# Altium PCB SmartHaloFF.PcbDoc (part 1 of 4) (continued)
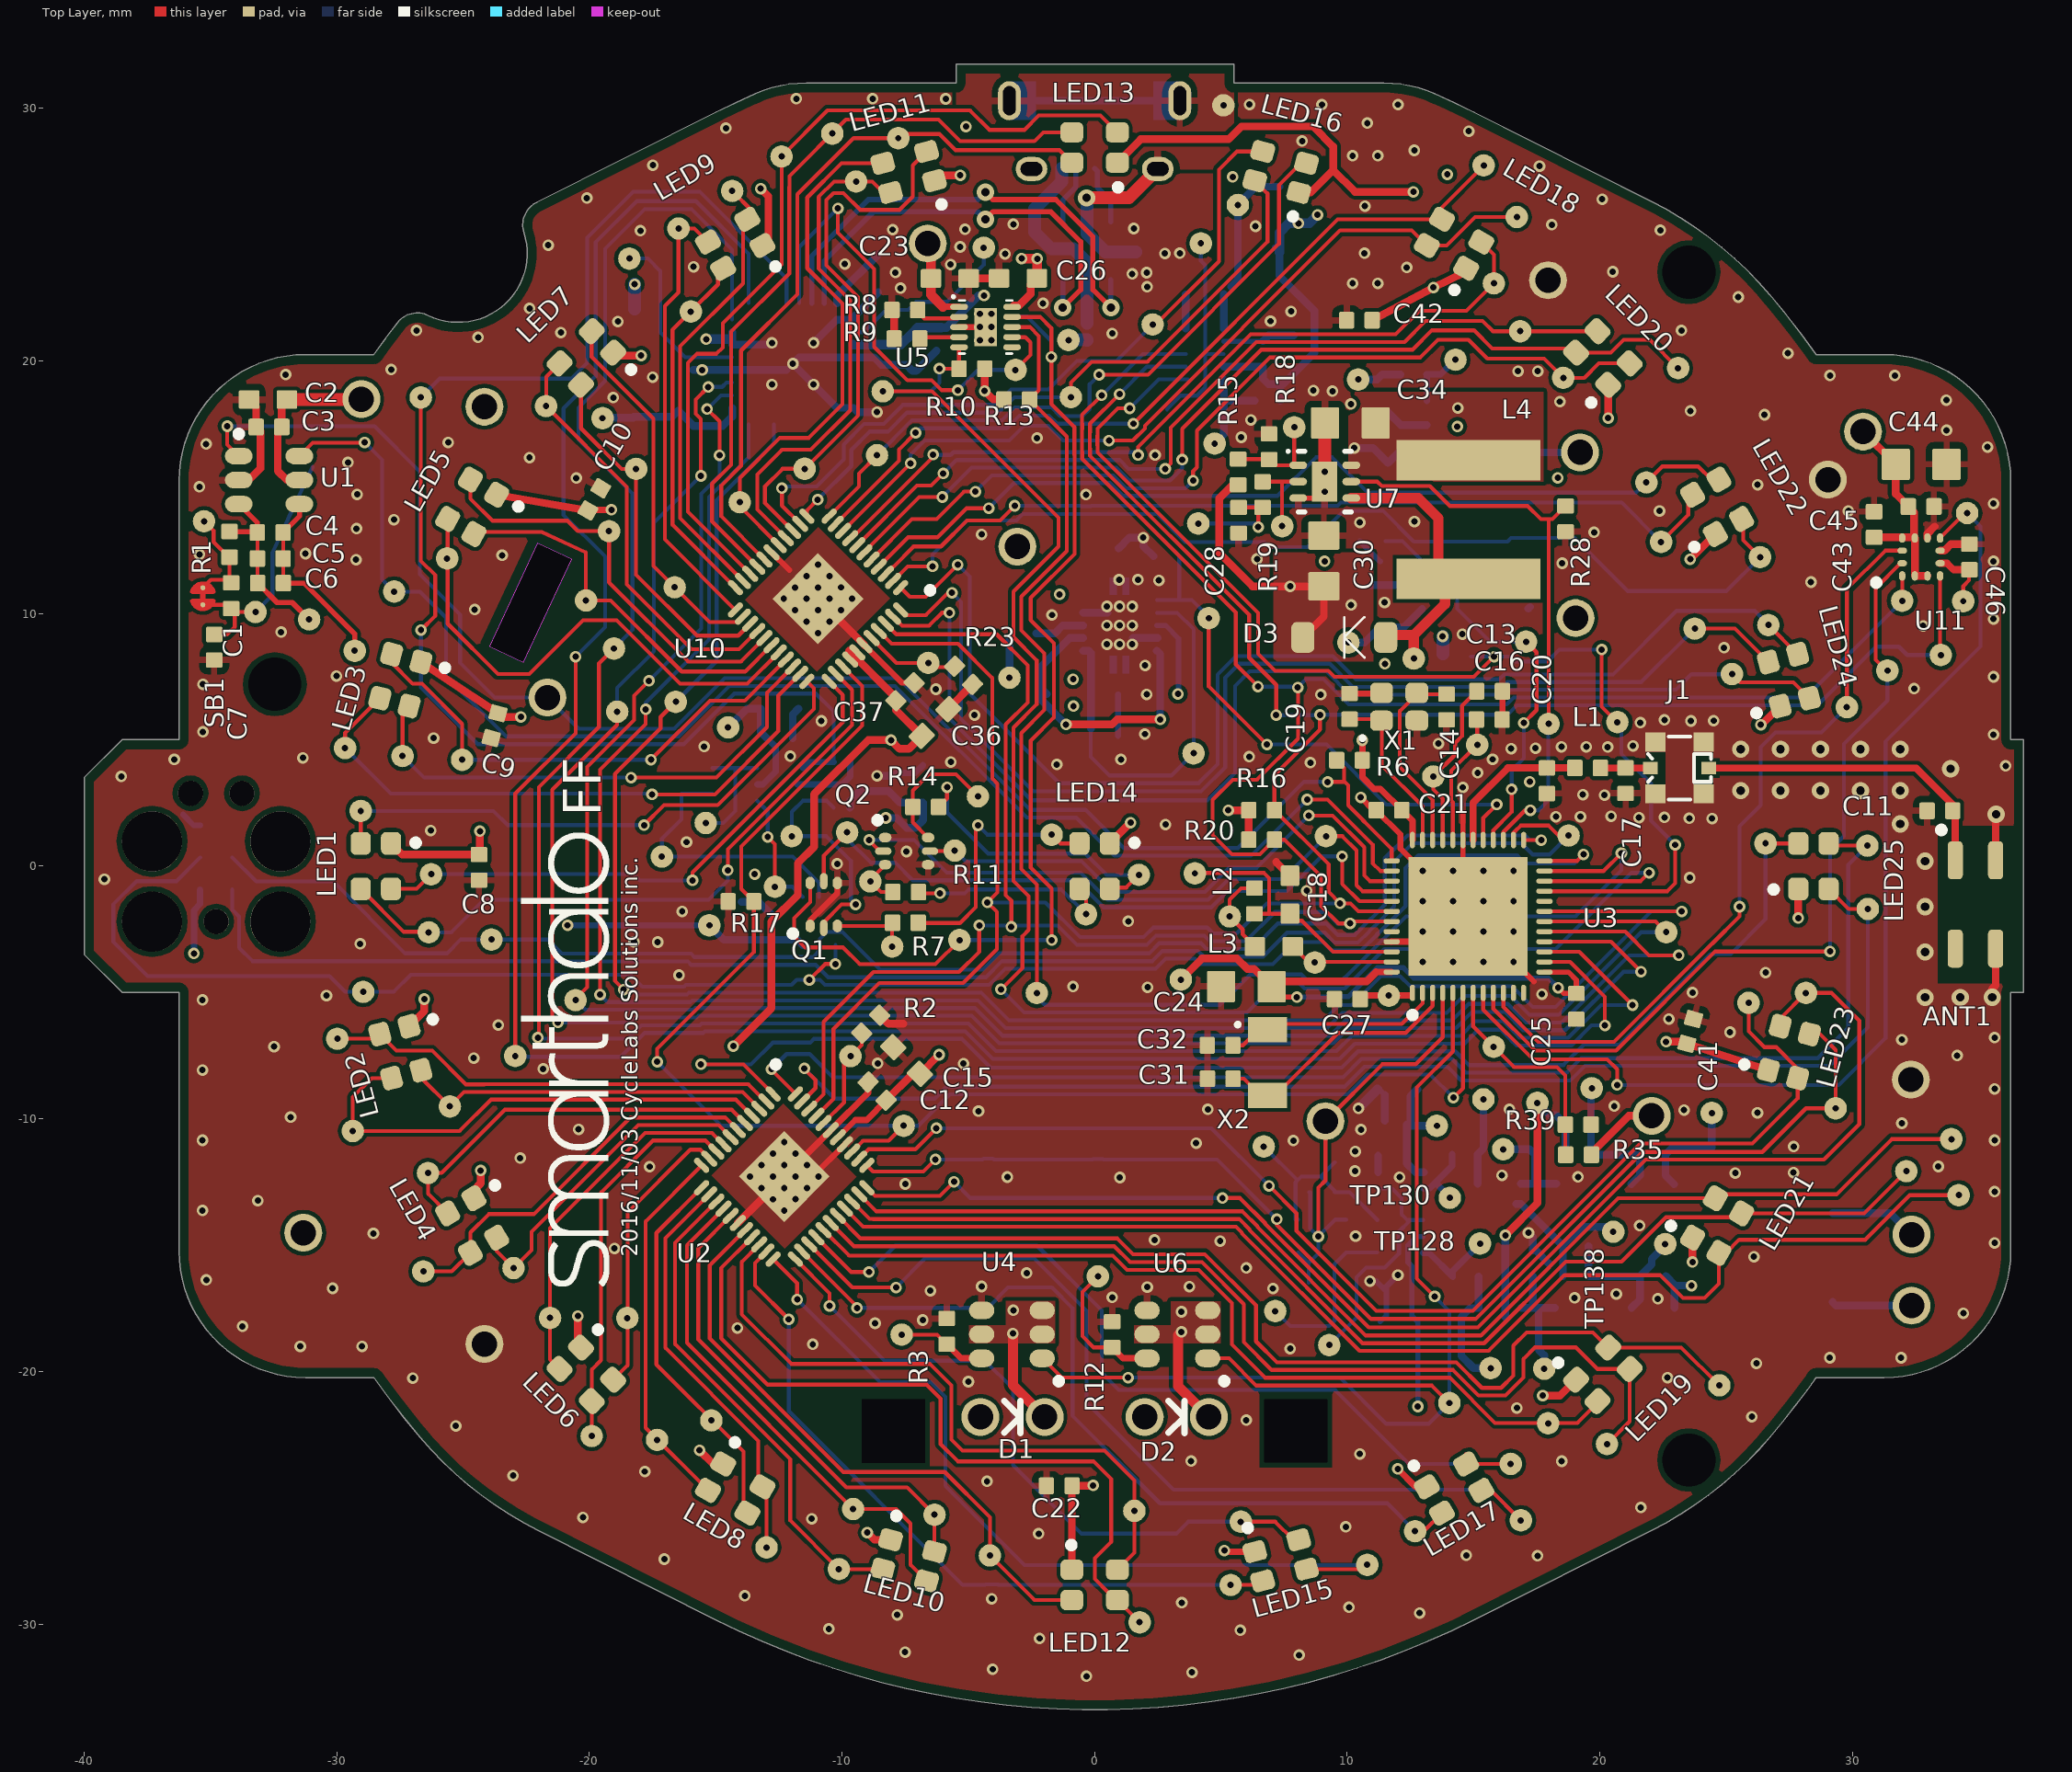
[diagram p0: Top Layer view]
## Components (designator, comment, footprint, x,y, rotation, side; value= is the part's Value field where it differs from the comment) (continued)
LED24 "LTSN-N213EGBW" LTSN-N213EGBW 27.48,7.363 r15 top locked
LED25 "LTSN-N213EGBW" LTSN-N213EGBW 28.45,0 r0 top locked
NT1 "NetTiePWR" NetTiePWR -0.053,21.593 r270 bottom net-tie
NT6 "NetTiePWR" NetTiePWR 1.532,24.562 r0 bottom net-tie
Q1 "NX3020NAKV" SOT666 -10.721,-1.516 r90 top
Q2 "NX3020NAKV" SOT666 -7.442,0.594 r0 top
Q3 "DSS5140V" SOT563 22.098,-17.986 r90 bottom
Q4 "DSS5140V" SOT563 22.088,-13.091 r90 bottom
Q5 "DSS4240V" SOT563 16.015,-13.071 r90 bottom
Q6 "DSS4240V" SOT563 16.038,-17.993 r90 bottom
Q7 "DSS4240V" SOT563 19.065,-17.988 r90 bottom
Q8 "DSS4240V" SOT563 19.136,-13.086 r90 bottom
R1 "2k Ohm" VARITRON_RES0402 -34.244,12.738 r270 top
R2 "3.9k Ohm" VARITRON_RES0402 -8.865,-6.254 r45 top
R3 "100 Ohm" VARITRON_RES0402 -5.857,-18.412 r270 top
R4 "100k Ohm" VARITRON_RES0402 12.621,19.469 r180 bottom
R5 "3.3k Ohm" Varitron_RES0402 22.098,-16.238 r0 bottom
R6 "DNP" VARITRON_RES0402 10.089,4.194 r0 top
R7 "160 Ohm" VARITRON_RES0402 -7.493,-2.24 r0 top
R8 "560 Ohm" VARITRON_RES0402 -7.513,22.017 r180 top
R9 "1k Ohm" VARITRON_RES0402 -7.427,20.881 r180 top
R10 "DNP" VARITRON_RES0402 -4.862,19.693 r0 top
R11 "110 Ohm" VARITRON_RES0402 -7.483,-1.026 r0 top
R12 "100 Ohm" VARITRON_RES0402 0.692,-18.544 r270 top
R13 "DNP" VARITRON_RES0402 -3.084,18.476 r0 top
R14 "110 Ohm" VARITRON_RES0402 -6.688,2.342 r0 top
R15 "510k Ohm" VARITRON_RES0402 5.679,15.603 r270 top
R16 "4.7k Ohm" VARITRON_RES0402 6.609,2.215 r180 top
R17 "100k Ohm" VARITRON_RES0402 -13.998,-1.397 r0 top
R18 "33k Ohm" VARITRON_RES0402 6.904,16.607 r270 top
R19 "10k Ohm" VARITRON_RES0402 6.647,14.709 r270 top
R20 "4.7k Ohm" VARITRON_RES0402 6.609,1.046 r180 top
R21 "3.3k Ohm" Varitron_RES0402 22.088,-11.422 r0 bottom
R22 "3.3k Ohm" Varitron_RES0402 19.045,-16.233 r0 bottom
R23 "3.9k Ohm" VARITRON_RES0402 -5.186,7.556 r315 top
R24 "1.8k Ohm" VARITRON_RES0402 8.994,-12.903 r180 bottom
R25 "3.3k Ohm" Varitron_RES0402 19.139,-11.422 r0 bottom
R26 "100k Ohm" Varitron_RES0402 -15.131,3.371 r90 bottom
R27 "1.8k Ohm" VARITRON_RES0402 8.982,-16.491 r180 bottom
R28 "100k Ohm" VARITRON_RES0402 18.639,13.746 r270 top
R29 "100k Ohm" VARITRON_RES0402 11.003,12.865 r0 bottom
R30 "DNP" Varitron_RES0402 14.293,8.4 r180 bottom
R31 "100k Ohm" VARITRON_RES0402 2.84,12.263 r0 bottom
R32 "10k Ohm" VARITRON_RES0402 -5.951,21.938 r270 bottom
R33 "12k Ohm" VARITRON_RES0402 -7.069,22.845 r270 bottom
R34 "1k Ohm" Varitron_RES0402 2.87,17.574 r90 bottom
R35 "75k Ohm" Varitron_RES0402 19.154,-11.425 r0 top
R36 "12k Ohm" Varitron_RES0402 -17.696,22.055 r180 bottom
R37 "12k Ohm" Varitron_RES0402 -17.686,21.107 r180 bottom
R38 "1k Ohm" Varitron_RES0402 6.85,18.428 r180 bottom
R39 "12k Ohm" Varitron_RES0402 19.139,-10.234 r180 top
R40 "10k Ohm" Varitron_RES0402 14.656,-11.402 r180 bottom
R41 "10k Ohm" Varitron_RES0402 14.686,-16.248 r180 bottom
R42 "3.3k Ohm" Varitron_RES0402 17.343,-15.725 r90 bottom
R43 "3.3k Ohm" Varitron_RES0402 17.429,-10.912 r270 bottom
RSENSE1 "0.01 Ohm" Varitron_RES0805 4.356,22.896 r0 bottom
RT1 "NTCS0402E3103FLT" VARITRON_RES0402 -3.162,22.276 r270 bottom
SB1 "Solderbridge" Solderbridge_Shorted -35.301,11.021 r270 top net-tie
TP1 "TP1" TESTPAD-TH-35mils 10.041,8.854 r180 bottom
TP2 "TP2" TESTPAD-TH-1_5mm 29.025,15.303 r180 bottom
TP3 "TP3" TESTPAD-TH-1_5mm 22.048,-9.881 r180 bottom locked
TP4 "TP4" TESTPAD-TH-35mils 24.427,-9.771 r180 bottom
TP5 "TP5" TESTPAD-TH-1_5mm 32.306,-8.448 r180 bottom
TP6 "TP6" TESTPAD-TH-1_5mm -24.153,-18.915 r180 bottom locked
TP7 "TP7" TESTPAD-TH-1_5mm -31.323,-14.514 r180 bottom locked
TP8 "TP8" TESTPAD-TH-1_5mm -24.155,18.186 r180 bottom
TP9 "TP9" TESTPAD-TH-1_5mm 17.948,23.195 r180 bottom
TP10 "TP10" TESTPAD-TH-1_5mm 30.414,17.203 r180 bottom
TP11 "TP11" TESTPAD-TH-1_5mm 19.215,16.38 r180 bottom
TP12 "TP12" TESTPAD-TH-35mils 3.411,-4.493 r180 bottom
TP13 "TP13" TESTPAD-TH-35mils -15.253,-2.342 r180 bottom locked
TP14 "TP14" TESTPAD-TH-35mils -14.508,5.494 r180 bottom
TP15 "TP15" TESTPAD-TH-35mils -19.477,17.734 r180 bottom
TP16 "TP16" TESTPAD-TH-1_5mm 19.035,9.82 r180 bottom
TP17 "TP17" TESTPAD-TH-35mils 13.546,-10.277 r180 bottom
TP18 "TP18" TESTPAD-TH-1_5mm -29.025,18.489 r180 bottom locked
TP19 "TP19" TESTPAD-TH-1_5mm -6.609,24.648 r180 bottom locked
TP20 "TP20" TESTPAD-TH-35mils -1.036,20.825 r180 bottom
TP21 "TP21" TESTPAD-TH-1_5mm -3.058,12.652 r180 bottom locked
TP22 "TP22" TESTPAD-TH-35mils 10.429,19.266 r180 bottom
TP23 "TP23" TESTPAD-TH-35mils -29.977,-6.833 r180 bottom locked
TP24 "TP24" TESTPAD-TH-35mils -29.365,-10.485 r180 bottom locked
TP25 "TP25" TESTPAD-TH-35mils -25.524,-9.51 r180 bottom locked
TP26 "TP26" TESTPAD-TH-35mils -26.386,-12.146 r180 bottom locked
TP27 "TP27" TESTPAD-TH-35mils -26.571,-16.04 r180 bottom locked
TP28 "TP28" TESTPAD-TH-35mils -23,-15.911 r180 bottom locked
TP29 "TP29" TESTPAD-TH-35mils -21.557,-17.884 r180 bottom locked
TP30 "TP30" TESTPAD-TH-35mils -19.906,-22.558 r180 bottom locked
TP31 "TP31" TESTPAD-TH-35mils -18.499,-17.889 r180 bottom locked
TP32 "TP32" TESTPAD-TH-35mils -17.318,-22.715 r180 bottom locked
TP33 "TP33" TESTPAD-TH-35mils -15.171,-21.938 r180 bottom locked
TP34 "TP34" TESTPAD-TH-35mils -12.987,-26.97 r180 bottom locked
TP35 "TP35" TESTPAD-TH-35mils -10.125,-27.828 r180 bottom locked
TP36 "TP36" TESTPAD-TH-35mils -9.561,-25.448 r180 bottom locked
TP37 "TP37" TESTPAD-TH-35mils -6.339,-25.675 r180 bottom locked
TP38 "TP38" TESTPAD-TH-35mils -4.145,-27.287 r180 bottom locked
TP39 "TP39" TESTPAD-TH-35mils 1.781,-29.931 r180 bottom locked
TP40 "TP40" TESTPAD-TH-35mils 1.572,-25.522 r180 bottom locked
TP41 "TP41" TESTPAD-TH-35mils 5.382,-28.456 r180 bottom locked
TP42 "TP42" TESTPAD-TH-35mils 10.79,-27.656 r180 bottom locked
TP43 "TP43" TESTPAD-TH-35mils 5.784,-25.951 r180 bottom locked
TP44 "TP44" TESTPAD-TH-35mils 12.682,-26.325 r180 bottom locked
TP45 "TP45" TESTPAD-TH-35mils 16.868,-25.895 r180 bottom locked
TP46 "TP46" TESTPAD-TH-35mils 16.469,-23.663 r180 bottom locked
TP47 "TP47" TESTPAD-TH-35mils 17.95,-22.055 r180 bottom locked
TP48 "TP48" TESTPAD-TH-35mils 20.282,-22.875 r180 bottom locked
TP49 "TP49" TESTPAD-TH-35mils 24.727,-20.551 r180 bottom locked
TP50 "TP50" TESTPAD-TH-35mils 34.201,-13.025 r180 bottom locked
TP51 "TP51" TESTPAD-TH-35mils 32.131,-12.073 r180 bottom locked
TP52 "TP52" TESTPAD-TH-35mils 33.909,-10.808 r180 bottom locked
TP53 "TP53" TESTPAD-TH-35mils 28.153,-5.019 r180 bottom locked
TP54 "TP54" TESTPAD-TH-35mils 29.329,-9.586 r180 bottom locked
TP55 "TP55" TESTPAD-TH-35mils 25.885,-5.41 r180 bottom locked
TP56 "TP56" TESTPAD-TH-35mils 30.604,-1.694 r180 bottom locked
TP57 "TP57" TESTPAD-TH-35mils 30.587,0.813 r180 bottom locked
TP58 "TP58" TESTPAD-TH-35mils 26.555,0.9 r180 bottom locked
TP59 "TP59" TESTPAD-TH-35mils 26.669,9.545 r180 bottom locked
TP60 "TP60" TESTPAD-TH-35mils 25.227,7.605 r180 bottom locked
TP61 "TP61" TESTPAD-TH-35mils 23.754,9.403 r180 bottom locked
TP62 "TP62" TESTPAD-TH-35mils 33.495,8.359 r180 bottom locked
TP63 "TP63" TESTPAD-TH-35mils 31.965,10.504 r180 bottom locked
TP64 "TP64" TESTPAD-TH-35mils 31.379,7.742 r180 bottom locked
TP65 "TP65" TESTPAD-TH-35mils 29.774,6.294 r180 bottom locked
TP66 "TP66" TESTPAD-TH-35mils 26.34,12.233 r180 bottom locked
TP67 "TP67" TESTPAD-TH-35mils 21.839,15.192 r180 bottom locked
TP68 "TP68" TESTPAD-TH-35mils 22.421,12.835 r180 bottom locked
TP69 "TP69" TESTPAD-TH-35mils 16.844,21.178 r180 bottom locked
TP70 "TP70" TESTPAD-TH-35mils 23.094,19.715 r180 bottom locked
TP71 "TP71" TESTPAD-TH-35mils 18.55,19.332 r180 bottom locked
TP72 "TP72" TESTPAD-TH-35mils 15.804,23.073 r180 bottom locked
TP73 "TP73" TESTPAD-TH-35mils 16.711,25.697 r180 bottom locked
TP74 "TP74" TESTPAD-TH-35mils 15.4,27.739 r180 bottom locked
TP75 "TP75" TESTPAD-TH-35mils 34.536,13.978 r180 bottom locked
TP76 "TP76" TESTPAD-TH-35mils 34.381,10.49 r180 bottom locked
TP77 "TP77" TESTPAD-TH-35mils 18.758,1.214 r180 bottom locked
TP78 "TP78" TESTPAD-TH-35mils -28.951,-4.976 r180 bottom locked
TP79 "TP79" TESTPAD-TH-35mils -23.876,-2.903 r180 bottom locked
TP80 "TP80" TESTPAD-TH-35mils -26.36,-2.619 r180 bottom locked
TP81 "TP81" TESTPAD-TH-35mils -26.261,-0.318 r180 bottom locked
TP82 "TP82" TESTPAD-TH-35mils -29.05,2.184 r180 bottom locked
TP83 "TP83" TESTPAD-TH-35mils -29.67,4.676 r180 bottom locked
TP84 "TP84" TESTPAD-TH-35mils -27.396,4.361 r180 bottom locked
TP85 "TP85" TESTPAD-TH-35mils -25.037,4.214 r180 bottom locked
TP86 "TP86" TESTPAD-TH-35mils -26.673,18.555 r180 bottom locked
TP87 "TP87" TESTPAD-TH-35mils -25.629,12.182 r180 bottom locked
TP88 "TP88" TESTPAD-TH-35mils -20.135,10.518 r180 bottom locked
TP89 "TP89" TESTPAD-TH-35mils -19.223,13.264 r180 bottom locked
TP90 "TP90" TESTPAD-TH-35mils -21.714,18.212 r180 bottom locked
TP91 "TP91" TESTPAD-TH-35mils -18.151,15.725 r180 bottom locked
TP92 "TP92" TESTPAD-TH-35mils -16.624,11.041 r180 bottom locked
TP93 "TP93" TESTPAD-TH-35mils -15.984,21.956 r180 bottom locked
TP94 "TP94" TESTPAD-TH-35mils -16.469,25.243 r180 bottom locked
TP95 "TP95" TESTPAD-TH-35mils -14.348,26.731 r180 bottom locked
TP96 "TP96" TESTPAD-TH-35mils 14.041,-21.252 r180 bottom locked
TP97 "TP97" TESTPAD-TH-35mils -7.638,-18.545 r180 bottom locked
TP98 "TP98" TESTPAD-TH-35mils 0.13,-16.238 r180 bottom locked
TP99 "TP99" TESTPAD-TH-35mils 1.753,-0.345 r180 bottom locked
TP100 "TP100" TESTPAD-TH-1_5mm -21.659,6.675 r180 bottom locked
TP101 "TP101" TESTPAD-TH-35mils -27.727,10.869 r180 bottom locked
TP102 "TP102" TESTPAD-TH-35mils -29.289,8.527 r180 bottom locked
TP103 "TP103" TESTPAD-TH-35mils -31.092,9.769 r180 bottom locked
TP104 "TP104" TESTPAD-TH-35mils -33.216,10.061 r180 bottom locked
TP105 "TP105" TESTPAD-TH-35mils -0.343,-1.902 r180 bottom locked
TP106 "TP106" TESTPAD-TH-35mils -1.702,1.247 r180 bottom locked
TP107 "TP107" TESTPAD-TH-35mils -5.537,0.617 r180 bottom locked
TP108 "TP108" TESTPAD-TH-35mils -9.797,1.336 r180 bottom locked
TP109 "TP109" TESTPAD-TH-35mils 9.157,1.186 r180 bottom locked
TP110 "TP110" TESTPAD-TH-35mils -4.618,2.764 r180 bottom locked
TP111 "TP111" TESTPAD-TH-35mils -5.349,-2.926 r180 bottom locked
TP112 "TP112" TESTPAD-TH-35mils -8.016,-3.185 r180 bottom locked
TP113 "TP113" TESTPAD-TH-35mils -8.877,-0.605 r180 bottom locked
TP114 "TP114" TESTPAD-TH-35mils -11.989,1.186 r180 bottom locked
TP115 "TP115" TESTPAD-TH-35mils -7.559,-10.274 r180 bottom locked
TP116 "TP116" TESTPAD-TH-35mils -12.39,28.095 r180 bottom locked
TP117 "TP117" TESTPAD-TH-35mils -10.384,29.002 r180 bottom locked
TP118 "TP118" TESTPAD-TH-35mils -7.772,28.819 r180 bottom locked
TP119 "TP119" TESTPAD-TH-35mils -11.478,15.73 r180 bottom locked
TP120 "TP120" TESTPAD-TH-35mils -9.441,27.102 r180 bottom locked
TP121 "TP121" TESTPAD-TH-35mils -14.046,14.409 r180 bottom locked
TP122 "TP122" TESTPAD-TH-35mils 2.299,21.443 r180 bottom locked
TP123 "TP123" TESTPAD-TH-35mils -8.616,16.269 r180 bottom locked
TP124 "TP124" TESTPAD-TH-35mils -0.94,18.565 r180 bottom locked
TP125 "TP125" TESTPAD-TH-1_5mm 9.136,-10.094 r180 bottom locked
TP126 "TP126" TESTPAD-TH-35mils 6.693,-11.097 r180 bottom locked
TP127 "TP127" TESTPAD-TH-35mils 7.148,-17.615 r180 bottom locked
TP128 "TP128" TESTPAD-TH-35mils 15.255,-14.94 r180 bottom locked
TP129 "TP129" TESTPAD-TH-35mils 9.286,-18.956 r180 bottom
TP130 "TP130" TESTPAD-TH-35mils 14.059,-13.129 r180 bottom locked
TP131 "TP131" TESTPAD-TH-35mils 15.672,-19.87 r180 bottom locked
TP132 "TP132" TESTPAD-TH-35mils 17.523,-9.37 r180 bottom
TP133 "TP133" TESTPAD-TH-35mils 17.795,-19.896 r180 bottom locked
TP134 "TP134" TESTPAD-TH-35mils 22.583,-14.961 r180 bottom
TP135 "TP135" TESTPAD-TH-35mils 19.677,-8.791 r180 bottom locked
TP136 "TP136" TESTPAD-TH-35mils 16.172,-11.206 r180 bottom
TP137 "TP137" TESTPAD-TH-35mils 15.387,-9.23 r180 bottom
TP138 "TP138" TESTPAD-TH-35mils 20.528,-14.473 r180 bottom
TP139 "TP139" TESTPAD-TH-1_5mm 32.337,-14.585 r180 bottom locked
TP140 "TP140" TESTPAD-TH-1_5mm 32.337,-17.396 r180 bottom locked
TP141 "TP141" TESTPAD-TH-35mils -35.25,13.652 r180 bottom locked
TP142 "TP142" TESTPAD-TH-35mils -19.027,8.616 r180 bottom locked
TP143 "TP143" TESTPAD-TH-35mils -18.9,6.114 r180 bottom locked
TP144 "TP144" TESTPAD-TH-35mils -16.581,6.505 r180 bottom locked
TP145 "TP145" TESTPAD-TH-35mils -20.544,-5.304 r180 bottom locked
TP146 "TP146" TESTPAD-TH-35mils -22.934,-7.516 r180 bottom locked
TP147 "TP147" TESTPAD-TH-35mils 22.624,-2.614 r180 bottom locked
TP148 "TP148" TESTPAD-TH-35mils -3.134,19.644 r180 bottom locked
TP149 "TP149" TESTPAD-TH-35mils -8.385,18.799 r180 bottom locked
TP150 "TP150" TESTPAD-TH-35mils -2.289,-5.024 r180 bottom locked
TP151 "TP151" TESTPAD-TH-35mils -18.415,24.054 r180 bottom locked
TP152 "TP152" TESTPAD-TH-35mils -4.389,24.481 r180 bottom locked
TP153 "TP153" TESTPAD-TH-35mils -15.392,1.709 r180 bottom locked
TP154 "TP154" TESTPAD-TH-35mils -17.13,0.378 r180 bottom locked
TP155 "TP155" TESTPAD-TH-35mils -12.654,-0.815 r180 bottom locked
TP156 "TP156" TESTPAD-TH-35mils -6.586,8.044 r180 bottom locked
TP157 "TP157" TESTPAD-TH-35mils -9.662,-7.521 r180 bottom locked
TP158 "TP158" TESTPAD-TH-35mils 3.967,-0.284 r180 bottom locked
TP159 "TP159" TESTPAD-TH-35mils 5.344,-1.991 r180 bottom locked
TP160 "TP160" TESTPAD-TH-35mils 4.516,9.817 r180 bottom locked
TP161 "TP161" TESTPAD-TH-35mils 17.968,5.636 r180 bottom locked
TP162 "TP162" TESTPAD-TH-35mils 17.076,8.885 r180 bottom locked
TP163 "TP163" TESTPAD-TH-35mils 20.688,5.7 r180 bottom locked
TP164 "TP164" TESTPAD-TH-35mils 13.406,3.551 r180 bottom locked
TP165 "TP165" TESTPAD-TH-35mils 15.143,4.803 r180 bottom locked
TP166 "TP166" TESTPAD-TH-35mils 4.102,13.564 r180 bottom locked
TP167 "TP167" TESTPAD-TH-35mils 11.643,-5.126 r180 bottom locked
TP168 "TP168" TESTPAD-TH-35mils 8.712,-3.815 r180 bottom locked
TP169 "TP169" TESTPAD-TH-35mils 4.75,16.728 r180 bottom locked
TP170 "TP170" TESTPAD-TH-35mils 7.422,13.459 r180 bottom locked
TP171 "TP171" TESTPAD-TH-35mils 3.917,4.468 r180 bottom locked
TP172 "TP172" TESTPAD-TH-35mils 12.631,8.219 r180 bottom locked
TP173 "TP173" TESTPAD-TH-35mils 5.669,26.172 r180 bottom
TP174 "TP174" TESTPAD-TH-35mils -3.373,7.46 r180 bottom locked
TP175 "TP175" TESTPAD-TH-35mils 14.282,20.051 r180 bottom locked
TP176 "TP176" TESTPAD-TH-35mils 5.098,30.119 r180 bottom locked
TP177 "TP177" TESTPAD-TH-35mils 4.204,24.656 r180 bottom locked
TP178 "TP178" TESTPAD-TH-35mils 15.796,-7.148 r180 bottom locked
TP179 "TP179" TESTPAD-TH-35mils 7.899,17.376 r180 bottom locked
U1 "AT42QT1010" 6ST1_N -32.678,15.285 r0 top locked
U2 "IS31FL3236-QFLS2-TR" QFN-44 -12.286,-12.286 r315 top locked
U3 "nRF52832-QFAA" QFN40P600X600X90-48N 14.78,-1.991 r90 top
U4 "IS31LT3171" SOT23-6 -3.275,-18.533 r90 top
U5 "BQ24040DSQR" DSQ10-1500X900TP -4.318,21.341 r270 top
U6 "IS31LT3171" SOT23-6 3.275,-18.533 r90 top
U7 "TPS61170DRVR" DRV6-1600X1000TP 9.108,15.222 r0 top
U8 "74LVC2GU04DCKRG4" SOT363_SC70_6 12.124,-12.112 r90 bottom
U9 "NL27WZ14DFT2G" SOT363_SC70_6 12.094,-14.656 r90 bottom
U10 "IS31FL3236-QFLS2-TR" QFN-44 -10.95,10.584 r225 top
U11 "LSM303AGR" LGA12-2X2X1_N 32.715,12.24 r90 top locked
U12 "TLV70028DDCR" SOT23-5_N 14.168,11.133 r0 bottom
U13 "TLV70028DDCR" SOT23-5_N 14.348,17.466 r0 bottom
U14 "STC3115AIQT" DFN10 4.358,20.273 r90 bottom
U15 "TPS61202DRCR" DRC10-2400X1650TP 0.988,9.53 r0 bottom
U16 "CY7C65213-32LTXI" QFN-32-TP -11.948,19.891 r0 bottom
U17 "USBLC6-2SC6" ST-SOT23-6 -0.307,24.361 r0 bottom
U18 "74LVC2GU04DCKRG4" SOT363_SC70_6 -9.681,3.218 r0 bottom
U19 "74LVC2GU04DCKRG4" SOT363_SC70_6 -12.456,3.236 r270 bottom
U20 "MC74VHC1G00DFT1G" SC70-5 -10.908,-2.172 r0 bottom
X1 "CX2016DB32000D0WPRC1" CRYSTAL_2016_4PINS 12.052,6.309 r0 top
X2 "ST3215SB32768E0HPWB1" CRYSTAL_3215_2PINS 6.839,-7.771 r270 top

## Footprints (in the part's own frame and the unit in brackets; to place one, negate y for a bottom-side part, rotate by r counter-clockwise, add the part's x,y. Pads: shape width x height; smd on the part's side, far side on the other; paste and mask are expansions set on the pad)
6ST1_N [mm] "SOT23, 6-Leads, Body 2.9x1.6mm, Pitch 0.95mm, Lead Span 2.8mm, IPC Medium Density"
  oval 1.1x0.65 smd mask+0.076: 1(-1.2,0.95) 2(-1.2,0) 3(-1.2,-0.95) 4(1.2,-0.95) 5(1.2,0) 6(1.2,0.95)
  silkscreen extent -1.32,1.7 -1.07,1.95, body extent -0.87,-1.5 0.87,1.5, height 1.45
2450AT42E010B [mm] "2.4 GHz Low Profile Mini Chip Antenna, Above Metal, 4 pads, 1.5 x 0.6 mm pads, 3.5 x 1.6 mm pitch, 6.26 x 3 mm metal clearance"
  rrect50% 1.5x0.6 smd: 1(1.75,0.8) 2(-1.75,0.8) 3(-1.75,-0.8) 4(1.75,-0.8)
  Top Layer pour cut-out: -3.13,-1.5 -3.13,1.5 3.13,1.5 3.13,-1.5
  silkscreen extent 2.83,1.22 3.07,1.47, body extent -2.5,-1 2.5,1, height 1.52
10118194-0001LF [mm] "Micro USB B Type Receptacle, 5 pins, 0.4 x 1.35 mm pads"
  rrect100% 0.9x1.55 hole 0.5 slot 1.15 at 90 deg: 0(-3.375,-2.675) 0(3.375,-2.675)
  rect 0.5x0.5 smd paste-0.1 mask-0.1: 0(-2.6,-2.675) 0(2.6,-2.675)
  rrect100% 1.25x0.95 hole 0.55 slot 0.85 at 0 deg: 0(-2.5,0.025) 0(2.5,0.025)
  rect 1.5x1.55 smd: 0(-1,-2.675) 0(1,-2.675)
  oval 0.4x1.35 smd mask+0.051: 1(-1.3,0) 2(-0.65,0) 3(0,0) 4(0.65,0) 5(1.3,0)
  Top Layer region: 3.325,-1.925 3.516,-1.963 3.679,-2.071 3.787,-2.234 3.825,-2.425 3.825,-2.425 3.825,-2.925 3.787,-3.116 3.679,-3.279 3.516,-3.387 3.325,-3.425 3.325,-3.425 2.325,-3.425 2.325,-1.925
  Top Layer region: -3.325,-3.425 -3.516,-3.387 -3.679,-3.279 -3.787,-3.116 -3.825,-2.925 -3.825,-2.925 -3.825,-2.425 -3.787,-2.234 -3.679,-2.071 -3.516,-1.963 -3.325,-1.925 -3.325,-1.925 -2.325,-1.925 -2.325,-3.425
  body extent -3.7,-4.82 3.7,0.13, height 3.06
59453061110ECHLF [mm] "Connector, 6 contacts, 0.3 x 0.9 mm pads, 0.52 x 1.0 mm mechanical pads, 0.5 mm pitch"
  oval 0.52x1 smd: 0(-1.99,-1.2) 0(1.99,-1.2)
  oval 0.3x0.9 smd mask+0.051: 1(-1.25,0) 2(-0.75,0) 3(-0.25,0) 4(0.25,0) 5(0.75,0) 6(1.25,0)
  silkscreen extent -2.25,-3.35 2.25,-0.15, body extent -2.25,-3.35 2.25,-0.15, height 0.9
709296001002006 [mm] "Connector Wire to Board, 2.0 x 2.0 mm, 2 pads, 2.4 x 2.2 mm, 4 mm pitch"
  rect 2.4x2.2 smd: 1(-2,0) 1(2,0)
  silkscreen extent -0.6,-1.4 0.51,1.4, body extent -3,-1 3,1, height 2
BM02(3)B-ADHSS-GAN-ETB [mm] "ADH Connector, 2 pins, 0.9 x 0.6 mm pads, 2 mecanical pads 2.2 x 0.75 mm"
  rect 2.2x0.75 smd: 0(-3.4,-2.525) 0(-3.4,2.525)
  rect 0.9x0.6 smd: 1(0,1.3) 2(0,-1.3)
  silkscreen extent 0.52,2.53 0.77,2.77, body extent -4,-2.85 0.3,2.85, height 1.9
COAXIAL-SWF [mm]
  rect 0.5x0.58 smd: 1(0,1.16) 3(0,-1.16)
  rect 0.75x0.8 smd: 2(-1.025,0.95) 2(-1.025,-0.95) 2(1.025,-0.95) 2(1.025,0.95)
  Top Layer pour cut-out: -0.65,0.55 0.65,0.55 0.65,1.35 -0.65,1.35
  Top Layer pour cut-out: 0.65,-0.55 -0.65,-0.55 -0.65,-1.35 0.65,-1.35
  silkscreen extent -1.25,-1.25 1.25,1.25
CRYSTAL_2016_4PINS [mm] "CRYSTAL 2.0 x 1.6 mm, 4 Pads, 1.4 mm Horizontal Pitch, 1.1 mm Vertical Pitch"
  rrect50% 0.9x0.8 smd: 1(-0.7,-0.55) 2(0.7,-0.55) 3(0.7,0.55) 4(-0.7,0.55)
  silkscreen extent -1.47,-1.27 -1.42,-1.22, body extent -1,-0.8 1,0.8, height 0.4
CRYSTAL_3215_2PINS [mm] "CRYSTAL 3.2 x 1.5 x 0.8 mm, 2 Pads 1.0 x 1.55 mm, 2.6 mm pitch"
  rect 1x1.55 smd: 1(-1.3,0) 2(1.3,0)
  silkscreen extent -1.53,-1.2 -1.47,-1.15, body extent -1.6,-0.75 1.6,0.75, height 0.8
DFN10 [mm] "DFN10, 10 pins, 2 x 3 x 0.55 mm body, 0.35 x 0.85 mm pads, 0.5 mm x 1.5 mm pitch."
  oval 0.35x1 smd: 1(-1,-0.675)
  oval 0.35x0.85 smd: 2(-0.5,-0.75) 3(0,-0.75) 4(0.5,-0.75) 5(1,-0.75) 6(1,0.75) 7(0.5,0.75) 8(0,0.75) 9(-0.5,0.75) 10(-1,0.75)
  silkscreen extent -1.6,-1.55 -1.5,-1.45, body extent -1.5,-1 1.5,1, height 0.55
DRC10-2400X1650TP [mm] "SON, 10-Leads, Body 3x3mm, Pitch 0.5mm, Thermal Pad 2.4x1.65mm, TI Recommended"
  oval 0.85x0.28 smd paste-0.025 mask+0.07: 1(-1.475,1) 2(-1.475,0.5) 3(-1.475,0) 4(-1.475,-0.5) 5(-1.475,-1) 6(1.475,-1) 7(1.475,-0.5) 8(1.475,0) 9(1.475,0.5) 10(1.475,1)
  rect 1.65x2.4 smd paste-0.825 mask+0.07: 11(0,0)
  Top Layer region: -0.389,1.898 -0.109,1.898 -0.109,1.198 -0.389,1.198
  Top Layer region: 0.389,1.198 0.109,1.198 0.109,1.898 0.389,1.898
  Top Layer region: 0.389,-1.898 0.109,-1.898 0.109,-1.198 0.389,-1.198
  Top Layer region: -0.389,-1.198 -0.109,-1.198 -0.109,-1.898 -0.389,-1.898
  silkscreen extent -2.15,-1.7 1.7,1.7, body extent -1.55,-1.55 1.55,1.55, height 1
DRV6-1600X1000TP [mm] "SON, 6-Leads, Body 2x2mm, Pitch 0.65mm, Thermal Pad 1.6x1mm, TI Recommended"
  oval 0.7x0.3 smd paste-0.025 mask+0.07: 1(-1.05,0.65) 2(-1.05,0) 3(-1.05,-0.65) 4(1.05,-0.65) 5(1.05,0) 6(1.05,0.65)
  rect 1x1.6 smd paste-0.5 mask+0.07: 7(0,0)
  silkscreen extent -1.5,-1.2 1.05,1.25, body extent -1.05,-1.05 1.05,1.05, height 0.8
DSQ10-1500X900TP [mm] "WSON-10, 10 pins, 0.23 x 0.7 mm pads, 0.4 x 2.1 mm pitch, Thermal pad 0.9 x 1.5 mm"
  oval 0.23x0.7 smd mask+0.051: 1(-0.8,-1.05) 2(-0.4,-1.05) 3(0,-1.05) 4(0.4,-1.05) 5(0.8,-1.05) 6(0.8,1.05) 7(0.4,1.05) 8(0,1.05) 9(-0.4,1.05) 10(-0.8,1.05)
  rect 1.5x0.9 smd mask+0.051: 11(0,0)
  silkscreen extent -1.25,-1.32 1.05,1.05, body extent -1.05,-1.05 1.05,1.05, height 0.8
FRONTLED_PADS [mm] "Front Led pads"
  round 1.5 hole 1: 1(-1.27,0) 2(1.27,0)
  silkscreen extent -0.34,-0.64 0.3,0.64
JLINK_6PIN_NEEDLE_ADAPTER [mil] "JLINK 6 PIN NEEDLE ADAPTER FOOTPRINT: Only for development (DNP)"
  round 93.5 hole 93.5 unplated paste-93.5: 0(-100,-100) 0(-100,100) 0(25,-100) 0(25,100)
  round 39 hole 39 unplated paste-39: 0(-100,0) 0(100,-40) 0(100,40)
  round 31 smd paste-31: 1(-50,-25) 2(-50,25) 3(0,-25) 4(0,25) 5(50,-25) 6(50,25)
  Mechanical 3 keep-out region: -50,-25 -50,25 50,25 50,-25
  Mechanical 3 keep-out region: -5.5,-193 55.5,-193 55.5,-147 -5.5,-147
  Mechanical 3 keep-out region: -130.5,-193 -69.5,-193 -69.5,-147 -130.5,-147
  Mechanical 3 keep-out region: -5.5,147 55.5,147 55.5,193 -5.5,193
  Mechanical 3 keep-out region: -130.5,147 -69.5,147 -69.5,193 -130.5,193
LGA12-2X2X1_N [mm] "PQFN, 12-Leads, Body 2x2mm, Pitch 0.5mm, IPC Medium Density"
  oval 0.375x0.25 smd mask+0: 1(-0.75,0.75) 2(-0.75,0.25) 3(-0.75,-0.25) 4(-0.75,-0.75) 7(0.75,-0.75) 8(0.75,-0.25) 9(0.75,0.25) 10(0.75,0.75)
  oval 0.25x0.375 smd mask+0: 5(-0.25,-0.75) 6(0.25,-0.75) 11(0.25,0.75) 12(-0.25,0.75)
  silkscreen extent -1.14,1.65 -0.89,1.9, body extent -1.14,-1.14 1.14,1.14, height 1
LTSN-N213EGBW [mm] "SMD LED LiteOn LTSN-N213EGBW, 2.1 x 2.1 mm, 1.2 x 1.8mm pitch"
  rrect50% 0.8x0.9 smd: 1(-0.6,-0.9) 2(0.6,-0.9) 3(0.6,0.9) 4(-0.6,0.9)
  silkscreen extent -1.7,-1.05 -1.45,-0.8, body extent -1.05,-1.05 1.05,1.05, height 1
NetTiePWR [mil] "NetTie for Power Nets"
  rect 20x20 smd paste-10 mask+0: 1(10,10) 2(30,10)
ONSC-SOD-123-2-425-04_V [mil] "Schottky Power Rectifier, 2-Pin SOD-123, Pb-Free, Tape and Reel"
  rrect50% 36x48 smd: 1(-64.5,0) 2(64.5,0)
  silkscreen extent 0,-32 31,32, body extent -73,-32 73,32, height 53
QFN40P600X600X90-48N [mm]
  oval 0.65x0.2 smd: 1(-3.025,2.2) 2(-3.025,1.8) 3(-3.025,1.4) 4(-3.025,1) 5(-3.025,0.6) 6(-3.025,0.2) 7(-3.025,-0.2) 8(-3.025,-0.6) 9(-3.025,-1) 10(-3.025,-1.4) 11(-3.025,-1.8) 12(-3.025,-2.2) 25(3.025,-2.2) 26(3.025,-1.8) 27(3.025,-1.4) 28(3.025,-1) 29(3.025,-0.6) 30(3.025,-0.2) 31(3.025,0.2) 32(3.025,0.6) 33(3.025,1) 34(3.025,1.4) 35(3.025,1.8) 36(3.025,2.2)
  oval 0.2x0.65 smd: 13(-2.2,-3.025) 14(-1.8,-3.025) 15(-1.4,-3.025) 16(-1,-3.025) 17(-0.6,-3.025) 18(-0.2,-3.025) 19(0.2,-3.025) 20(0.6,-3.025) 21(1,-3.025) 22(1.4,-3.025) 23(1.8,-3.025) 24(2.2,-3.025) 37(2.2,3.025) 38(1.8,3.025) 39(1.4,3.025) 40(1,3.025) 41(0.6,3.025) 42(0.2,3.025) 43(-0.2,3.025) 44(-0.6,3.025) 45(-1,3.025) 46(-1.4,3.025) 47(-1.8,3.025) 48(-2.2,3.025)
  rect 4.7x4.7 smd: 49(0,0)
  silkscreen extent -4.02,2.07 -3.78,2.32, body extent -3,-3 3,3, height 0.9
QFN-32-TP [mm] "QFN-32, 5.0 x 5.0 x 1.0 mm body, 0.25 x 0.7 mm pads, 2.75 x 2.75 thermal pad"
  oval 0.7x0.25 smd mask+0.051: 1(-2.4,1.75) 2(-2.4,1.25) 3(-2.4,0.75) 4(-2.4,0.25) 5(-2.4,-0.25) 6(-2.4,-0.75) 7(-2.4,-1.25) 8(-2.4,-1.75) 17(2.4,-1.75) 18(2.4,-1.25) 19(2.4,-0.75) 20(2.4,-0.25) 21(2.4,0.25) 22(2.4,0.75) 23(2.4,1.25) 24(2.4,1.75)
  oval 0.25x0.7 smd mask+0.051: 9(-1.75,-2.4) 10(-1.25,-2.4) 11(-0.75,-2.4) 12(-0.25,-2.4) 13(0.25,-2.4) 14(0.75,-2.4) 15(1.25,-2.4) 16(1.75,-2.4) 25(1.75,2.4) 26(1.25,2.4) 27(0.75,2.4) 28(0.25,2.4) 29(-0.25,2.4) 30(-0.75,2.4) 31(-1.25,2.4) 32(-1.75,2.4)
  rect 2.75x2.75 smd mask+0.051: 33(0,0)
  silkscreen extent -3.17,2.58 -2.93,2.82, body extent -2.5,-2.5 2.5,2.5, height 1
QFN-44 [mm] "QFN-44, 5 x 5 x 0.8 mm body, 0.25 x 0.8 mm pads, 0.4 pin pitch, 2.55 x 2.55 mm thermal pad"
  oval 0.75x0.25 smd mask+0.064: 1(-2.625,2) 11(-2.625,-2) 23(2.625,-2) 33(2.625,2)
  oval 0.8x0.25 smd mask+0.064: 2(-2.6,1.6) 3(-2.6,1.2) 4(-2.6,0.8) 5(-2.6,0.4) 6(-2.6,0) 7(-2.6,-0.4) 8(-2.6,-0.8) 9(-2.6,-1.2) 10(-2.6,-1.6) 24(2.6,-1.6) 25(2.6,-1.2) 26(2.6,-0.8) 27(2.6,-0.4) 28(2.6,0) 29(2.6,0.4) 30(2.6,0.8) 31(2.6,1.2) 32(2.6,1.6)
  oval 0.25x0.75 smd mask+0.064: 12(-2,-2.625) 22(2,-2.625) 34(2,2.625) 44(-2,2.625)
  oval 0.25x0.8 smd mask+0.064: 13(-1.6,-2.6) 14(-1.2,-2.6) 15(-0.8,-2.6) 16(-0.4,-2.6) 17(0,-2.6) 18(0.4,-2.6) 19(0.8,-2.6) 20(1.2,-2.6) 21(1.6,-2.6) 35(1.6,2.6) 36(1.2,2.6) 37(0.8,2.6) 38(0.4,2.6) 39(0,2.6) 40(-0.4,2.6) 41(-0.8,2.6) 42(-1.2,2.6) 43(-1.6,2.6)
  rect 2.55x2.55 smd: 45(0,0)
  silkscreen extent -3.5,2.78 -3.25,3.02, body extent -2.5,-2.5 2.5,2.5, height 0.8
SC70-5 [mm] "SC70-5, 0.4 x 0.5 mm pads, 0.65 x 1.9 mm pitch"
  oval 0.4x0.5 smd mask+0.051: 1(-0.65,-0.95) 2(0,-0.95) 3(0.65,-0.95) 4(0.65,0.95) 5(-0.65,0.95)
  body extent -1,-0.63 1,0.63, height 1.1
Solderbridge_Shorted [mm]
  round 0.2 smd paste-10: 1(0,0) 2(0.676,0)
  Top Layer region: 0.236,-0.432 0.16,-0.505 0.042,-0.467 -0.023,-0.424 -0.097,-0.351 -0.15,-0.292 -0.208,-0.193 -0.236,-0.099 -0.231,0.122 -0.206,0.193 -0.122,0.33 -0.038,0.411 0.054,0.469 0.155,0.5 0.206,0.483 0.236,0.43
  Top Layer region: 0.44,0.432 0.516,0.505 0.634,0.467 0.698,0.424 0.772,0.351 0.826,0.292 0.884,0.193 0.912,0.099 0.907,-0.122 0.881,-0.193 0.798,-0.33 0.714,-0.411 0.622,-0.469 0.521,-0.5 0.47,-0.483 0.44,-0.43
  Top Layer lines w0.152: 0.516,-0.431 ccw(c0.406,0) 0.516,0.431 ; 0.159,-0.431 cw(c0.27,0) 0.159,0.431
  Top Layer lines w0.203: 0.676,0 0,0
SOT23-5_N [mm] "SOT23, 5-Leads, Body 2.9x1.6mm, Pitch 0.95mm, Lead Span 2.8mm, IPC Medium Density"
  oval 1.1x0.65 smd: 1(-1.2,0.95) 2(-1.2,0) 3(-1.2,-0.95) 4(1.2,-0.95) 5(1.2,0.95)
  silkscreen extent -1.32,1.7 -1.07,1.95, body extent -0.9,-1.55 0.9,1.55, height 1.4
SOT23-6 [mm] "SOT23-6 pins, 2.92 x 1.6 mm body, 0.7mm x 1mm pads, 0.95 x 2.4 mm pitch"
  oval 0.7x1 smd mask+0.051: 1(-0.95,-1.2) 2(0,-1.2) 3(0.95,-1.2) 4(0.95,1.2) 5(0,1.2) 6(-0.95,1.2)
  silkscreen extent -1.98,-1.98 -1.73,-1.73, body extent -1.56,-0.9 1.56,0.9, height 1.35
SOT363_SC70_6 [mil] "SOT363-6, SC70, 2 x 1.25 x 1 mm body, 16 x 26 mils pads, 26 x 71 mils pitch"
  oval 16x26 smd mask+2: 1(-25.5,-35.5) 2(0,-35.5) 3(25.5,-35.5) 4(25.5,35.5) 5(0,35.5) 6(-25.5,35.5)
  silkscreen extent -57,-40 -47,-31, body extent -39,-25 39,25, height 39
SOT563 [mm] "SOT563, 1.25 x 1.7 mm body, 6 pins, 0.375 x 0.5 mm pads, 0.5 x 1.7 mm pitch"
  rrect50% 0.375x0.5 smd mask+0: 1(-0.5,-0.85) 2(0,-0.85) 3(0.5,-0.85) 4(0.5,0.85) 5(0,0.85) 6(-0.5,0.85)
  silkscreen extent -1.3,-1.41 -1.05,-1.16, body extent -0.85,-0.63 0.85,0.63, height 0.6
SOT666 [mm] "SOT666, 1.3 x 1.7 x 0.6 mm body, 0.375 x 0.5 mm pads, 1.6 x 0.538 mm pitch"
  oval 0.5x0.375 smd mask+0.046: 1(-0.85,0.538) 3(-0.85,-0.538) 4(0.85,-0.538) 6(0.85,0.538)
  oval 0.65x0.3 smd mask+0.046: 2(-0.925,0) 5(0.925,0)
  silkscreen extent -1.27,1.1 -1.03,1.35, body extent -0.65,-0.85 0.65,0.85, height 0.6
SRN3015-2R2M [mm] "Inductor, 3.0 x 3.0 x 1.5 mm, 1.0 x 2.7 pads, 2.2 mm pitch"
  rect 1x2.7 smd: 1(-1.1,0) 2(1.1,0)
  body extent -1.5,-1.5 1.5,1.5, height 1.5
SRN5020-100M [mm] "Inductor SRN5020-100M, 10 uH, 5.0 x 5.0 mm x 2.0 body, 1.6 x 5.7 mm pad, 4.7 mm pitch"
  rect 1.6x5.7 smd: 1(-2.35,0) 2(2.35,0)
  body extent -2.5,-2.5 2.5,2.5, height 2
ST-SOT23-6 [mm] "ST SOT23-6 pins, 3.05 x 1.75 mm body, 0.6mm x 1.2mm pads, 0.95 x 2.3 mm pitch"
  oval 0.6x1.2 smd mask+0.051: 1(-0.95,-1.15) 2(0,-1.15) 3(0.95,-1.15) 4(0.95,1.15) 5(0,1.15) 6(-0.95,1.15)
  silkscreen extent -2.21,-1.8 -1.96,-1.55, body extent -1.56,-0.9 1.56,0.9, height 1.35